# Altium PCB Controller(1).PcbDoc (continued)
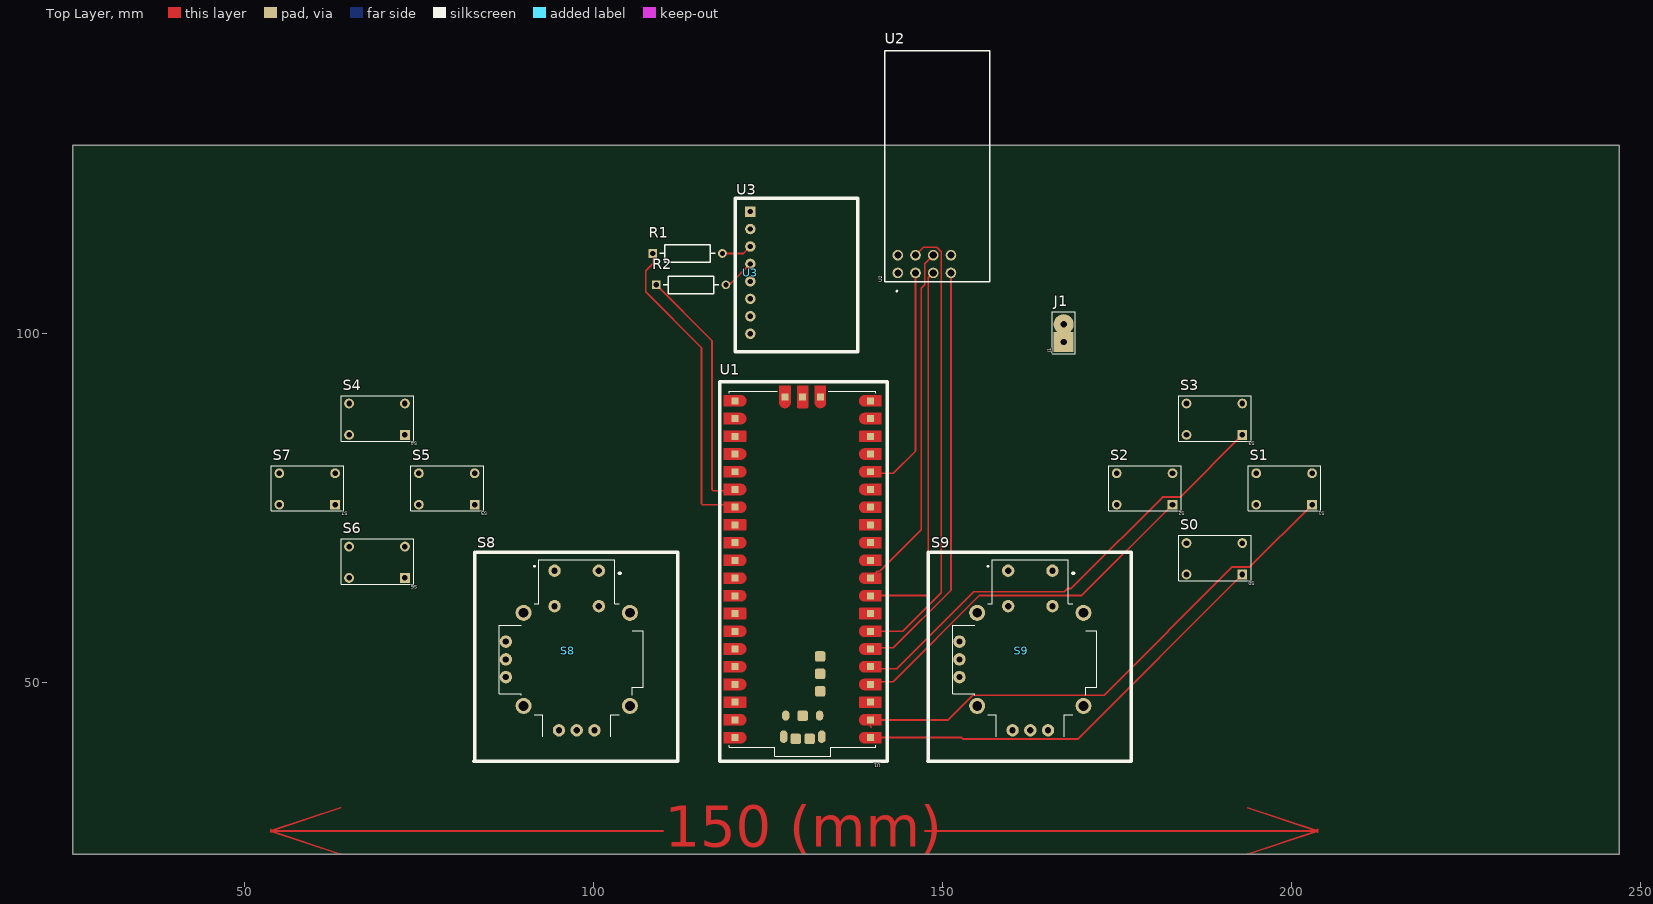
[diagram p0: Top Layer view]
## Footprints (in the part's own frame and the unit in brackets; to place one, negate y for a bottom-side part, rotate by r counter-clockwise, add the part's x,y. Pads: shape width x height; smd on the part's side, far side on the other; paste and mask are expansions set on the pad) (continued)
  Top Layer region: 11.29,15.91 8.89,15.91 8.848,15.911 8.806,15.914 8.765,15.92 8.724,15.927 8.683,15.937 8.643,15.949 8.603,15.963 8.565,15.979 8.527,15.997 8.49,16.017 8.454,16.039 8.42,16.063 8.387,16.088 8.355,16.115 8.324,16.144 8.295,16.175 8.268,16.207 8.243,16.24 8.219,16.274 8.197,16.31 8.177,16.347 8.159,16.385 8.143,16.423 8.129,16.463 8.117,16.503 8.107,16.544 8.1,16.585 8.094,16.626 8.091,16.668 8.09,16.71 8.091,16.752 8.094,16.794 8.1,16.835 8.107,16.876 8.117,16.917 8.129,16.957 8.143,16.997 8.159,17.035 8.177,17.073 8.197,17.11 8.219,17.146 8.243,17.18 8.268,17.213 8.295,17.245 8.324,17.276 8.355,17.305 8.387,17.332 8.42,17.357 8.454,17.381 8.49,17.403 8.527,17.423 8.565,17.441 8.603,17.457 8.643,17.471 8.683,17.483 8.724,17.493 8.765,17.5 8.806,17.506 8.848,17.509 8.89,17.51 11.29,17.51
  Top Layer region: 11.29,23.53 8.89,23.53 8.848,23.531 8.806,23.534 8.765,23.54 8.724,23.547 8.683,23.557 8.643,23.569 8.603,23.583 8.565,23.599 8.527,23.617 8.49,23.637 8.454,23.659 8.42,23.683 8.387,23.708 8.355,23.735 8.324,23.764 8.295,23.795 8.268,23.827 8.243,23.86 8.219,23.894 8.197,23.93 8.177,23.967 8.159,24.005 8.143,24.043 8.129,24.083 8.117,24.123 8.107,24.164 8.1,24.205 8.094,24.246 8.091,24.288 8.09,24.33 8.091,24.372 8.094,24.414 8.1,24.455 8.107,24.496 8.117,24.537 8.129,24.577 8.143,24.617 8.159,24.655 8.177,24.693 8.197,24.73 8.219,24.766 8.243,24.8 8.268,24.833 8.295,24.865 8.324,24.896 8.355,24.925 8.387,24.952 8.42,24.977 8.454,25.001 8.49,25.023 8.527,25.043 8.565,25.061 8.603,25.077 8.643,25.091 8.683,25.103 8.724,25.113 8.765,25.12 8.806,25.126 8.848,25.129 8.89,25.13 11.29,25.13
  Top Layer region: 11.29,-6.95 8.28,-6.95 8.269,-6.949 8.259,-6.948 8.248,-6.946 8.238,-6.943 8.228,-6.94 8.218,-6.937 8.209,-6.933 8.199,-6.928 8.19,-6.923 8.181,-6.918 8.172,-6.912 8.164,-6.905 8.156,-6.899 8.149,-6.891 8.141,-6.884 8.135,-6.876 8.128,-6.868 8.122,-6.859 8.117,-6.85 8.112,-6.841 8.107,-6.831 8.103,-6.822 8.1,-6.812 8.097,-6.802 8.094,-6.792 8.092,-6.781 8.091,-6.771 8.09,-6.76 8.09,-6.75 8.09,-5.55 8.09,-5.54 8.091,-5.529 8.092,-5.519 8.094,-5.508 8.097,-5.498 8.1,-5.488 8.103,-5.478 8.107,-5.469 8.112,-5.459 8.117,-5.45 8.122,-5.441 8.128,-5.432 8.135,-5.424 8.141,-5.416 8.149,-5.409 8.156,-5.401 8.164,-5.395 8.172,-5.388 8.181,-5.382 8.19,-5.377 8.199,-5.372 8.209,-5.367 8.218,-5.363 8.228,-5.36 8.238,-5.357 8.248,-5.354 8.259,-5.352 8.269,-5.351 8.28,-5.35 11.29,-5.35
  Top Layer region: 11.29,-4.41 8.89,-4.41 8.848,-4.409 8.806,-4.406 8.765,-4.4 8.724,-4.393 8.683,-4.383 8.643,-4.371 8.603,-4.357 8.565,-4.341 8.527,-4.323 8.49,-4.303 8.454,-4.281 8.42,-4.257 8.387,-4.232 8.355,-4.205 8.324,-4.176 8.295,-4.145 8.268,-4.113 8.243,-4.08 8.219,-4.046 8.197,-4.01 8.177,-3.973 8.159,-3.935 8.143,-3.897 8.129,-3.857 8.117,-3.817 8.107,-3.776 8.1,-3.735 8.094,-3.694 8.091,-3.652 8.09,-3.61 8.091,-3.568 8.094,-3.526 8.1,-3.485 8.107,-3.444 8.117,-3.403 8.129,-3.363 8.143,-3.323 8.159,-3.285 8.177,-3.247 8.197,-3.21 8.219,-3.174 8.243,-3.14 8.268,-3.107 8.295,-3.075 8.324,-3.044 8.355,-3.015 8.387,-2.988 8.42,-2.963 8.454,-2.939 8.49,-2.917 8.527,-2.897 8.565,-2.879 8.603,-2.863 8.643,-2.849 8.683,-2.837 8.724,-2.827 8.765,-2.82 8.806,-2.814 8.848,-2.811 8.89,-2.81 11.29,-2.81
  Top Layer region: 11.29,-1.87 8.89,-1.87 8.848,-1.869 8.806,-1.866 8.765,-1.86 8.724,-1.853 8.683,-1.843 8.643,-1.831 8.603,-1.817 8.565,-1.801 8.527,-1.783 8.49,-1.763 8.454,-1.741 8.42,-1.717 8.387,-1.692 8.355,-1.665 8.324,-1.636 8.295,-1.605 8.268,-1.573 8.243,-1.54 8.219,-1.506 8.197,-1.47 8.177,-1.433 8.159,-1.395 8.143,-1.357 8.129,-1.317 8.117,-1.277 8.107,-1.236 8.1,-1.195 8.094,-1.154 8.091,-1.112 8.09,-1.07 8.091,-1.028 8.094,-0.986 8.1,-0.945 8.107,-0.904 8.117,-0.863 8.129,-0.823 8.143,-0.783 8.159,-0.745 8.177,-0.707 8.197,-0.67 8.219,-0.634 8.243,-0.6 8.268,-0.567 8.295,-0.535 8.324,-0.504 8.355,-0.475 8.387,-0.448 8.42,-0.423 8.454,-0.399 8.49,-0.377 8.527,-0.357 8.565,-0.339 8.603,-0.323 8.643,-0.309 8.683,-0.297 8.724,-0.287 8.765,-0.28 8.806,-0.274 8.848,-0.271 8.89,-0.27 11.29,-0.27
  Top Layer region: 11.29,10.83 8.89,10.83 8.848,10.831 8.806,10.834 8.765,10.84 8.724,10.847 8.683,10.857 8.643,10.869 8.603,10.883 8.565,10.899 8.527,10.917 8.49,10.937 8.454,10.959 8.42,10.983 8.387,11.008 8.355,11.035 8.324,11.064 8.295,11.095 8.268,11.127 8.243,11.16 8.219,11.194 8.197,11.23 8.177,11.267 8.159,11.305 8.143,11.343 8.129,11.383 8.117,11.423 8.107,11.464 8.1,11.505 8.094,11.546 8.091,11.588 8.09,11.63 8.091,11.672 8.094,11.714 8.1,11.755 8.107,11.796 8.117,11.837 8.129,11.877 8.143,11.917 8.159,11.955 8.177,11.993 8.197,12.03 8.219,12.066 8.243,12.1 8.268,12.133 8.295,12.165 8.324,12.196 8.355,12.225 8.387,12.252 8.42,12.277 8.454,12.301 8.49,12.323 8.527,12.343 8.565,12.361 8.603,12.377 8.643,12.391 8.683,12.403 8.724,12.413 8.765,12.42 8.806,12.426 8.848,12.429 8.89,12.43 11.29,12.43
  Top Layer region: 11.29,20.99 8.89,20.99 8.848,20.991 8.806,20.994 8.765,21 8.724,21.007 8.683,21.017 8.643,21.029 8.603,21.043 8.565,21.059 8.527,21.077 8.49,21.097 8.454,21.119 8.42,21.143 8.387,21.168 8.355,21.195 8.324,21.224 8.295,21.255 8.268,21.287 8.243,21.32 8.219,21.354 8.197,21.39 8.177,21.427 8.159,21.465 8.143,21.503 8.129,21.543 8.117,21.583 8.107,21.624 8.1,21.665 8.094,21.706 8.091,21.748 8.09,21.79 8.091,21.832 8.094,21.874 8.1,21.915 8.107,21.956 8.117,21.997 8.129,22.037 8.143,22.077 8.159,22.115 8.177,22.153 8.197,22.19 8.219,22.226 8.243,22.26 8.268,22.293 8.295,22.325 8.324,22.356 8.355,22.385 8.387,22.412 8.42,22.437 8.454,22.461 8.49,22.483 8.527,22.503 8.565,22.521 8.603,22.537 8.643,22.551 8.683,22.563 8.724,22.573 8.765,22.58 8.806,22.586 8.848,22.589 8.89,22.59 11.29,22.59
  Top Layer region: 11.29,18.45 8.28,18.45 8.269,18.451 8.259,18.452 8.248,18.454 8.238,18.457 8.228,18.46 8.218,18.463 8.209,18.467 8.199,18.472 8.19,18.477 8.181,18.482 8.172,18.488 8.164,18.495 8.156,18.501 8.149,18.509 8.141,18.516 8.135,18.524 8.128,18.532 8.122,18.541 8.117,18.55 8.112,18.559 8.107,18.569 8.103,18.578 8.1,18.588 8.097,18.598 8.094,18.608 8.092,18.619 8.091,18.629 8.09,18.64 8.09,18.65 8.09,19.85 8.09,19.86 8.091,19.871 8.092,19.881 8.094,19.892 8.097,19.902 8.1,19.912 8.103,19.922 8.107,19.931 8.112,19.941 8.117,19.95 8.122,19.959 8.128,19.968 8.135,19.976 8.141,19.984 8.149,19.991 8.156,19.999 8.164,20.005 8.172,20.012 8.181,20.018 8.19,20.023 8.199,20.028 8.209,20.033 8.218,20.037 8.228,20.04 8.238,20.043 8.248,20.046 8.259,20.048 8.269,20.049 8.28,20.05 11.29,20.05
  Top Layer region: -8.848,9.889 -8.806,9.886 -8.765,9.88 -8.724,9.873 -8.683,9.863 -8.643,9.851 -8.603,9.837 -8.565,9.821 -8.527,9.803 -8.49,9.783 -8.454,9.761 -8.42,9.737 -8.387,9.712 -8.355,9.685 -8.324,9.656 -8.295,9.625 -8.268,9.593 -8.243,9.56 -8.219,9.526 -8.197,9.49 -8.177,9.453 -8.159,9.415 -8.143,9.377 -8.129,9.337 -8.117,9.297 -8.107,9.256 -8.1,9.215 -8.094,9.174 -8.091,9.132 -8.09,9.09 -8.091,9.048 -8.094,9.006 -8.1,8.965 -8.107,8.924 -8.117,8.883 -8.129,8.843 -8.143,8.803 -8.159,8.765 -8.177,8.727 -8.197,8.69 -8.219,8.654 -8.243,8.62 -8.268,8.587 -8.295,8.555 -8.324,8.524 -8.355,8.495 -8.387,8.468 -8.42,8.443 -8.454,8.419 -8.49,8.397 -8.527,8.377 -8.565,8.359 -8.603,8.343 -8.643,8.329 -8.683,8.317 -8.724,8.307 -8.765,8.3 -8.806,8.294 -8.848,8.291 -8.89,8.29 -11.29,8.29 -11.29,9.89 -8.89,9.89
  Top Layer region: -8.848,12.429 -8.806,12.426 -8.765,12.42 -8.724,12.413 -8.683,12.403 -8.643,12.391 -8.603,12.377 -8.565,12.361 -8.527,12.343 -8.49,12.323 -8.454,12.301 -8.42,12.277 -8.387,12.252 -8.355,12.225 -8.324,12.196 -8.295,12.165 -8.268,12.133 -8.243,12.1 -8.219,12.066 -8.197,12.03 -8.177,11.993 -8.159,11.955 -8.143,11.917 -8.129,11.877 -8.117,11.837 -8.107,11.796 -8.1,11.755 -8.094,11.714 -8.091,11.672 -8.09,11.63 -8.091,11.588 -8.094,11.546 -8.1,11.505 -8.107,11.464 -8.117,11.423 -8.129,11.383 -8.143,11.343 -8.159,11.305 -8.177,11.267 -8.197,11.23 -8.219,11.194 -8.243,11.16 -8.268,11.127 -8.295,11.095 -8.324,11.064 -8.355,11.035 -8.387,11.008 -8.42,10.983 -8.454,10.959 -8.49,10.937 -8.527,10.917 -8.565,10.899 -8.603,10.883 -8.643,10.869 -8.683,10.857 -8.724,10.847 -8.765,10.84 -8.806,10.834 -8.848,10.831 -8.89,10.83 -11.29,10.83 -11.29,12.43 -8.89,12.43
  Top Layer region: -8.848,14.969 -8.806,14.966 -8.765,14.96 -8.724,14.953 -8.683,14.943 -8.643,14.931 -8.603,14.917 -8.565,14.901 -8.527,14.883 -8.49,14.863 -8.454,14.841 -8.42,14.817 -8.387,14.792 -8.355,14.765 -8.324,14.736 -8.295,14.705 -8.268,14.673 -8.243,14.64 -8.219,14.606 -8.197,14.57 -8.177,14.533 -8.159,14.495 -8.143,14.457 -8.129,14.417 -8.117,14.377 -8.107,14.336 -8.1,14.295 -8.094,14.254 -8.091,14.212 -8.09,14.17 -8.091,14.128 -8.094,14.086 -8.1,14.045 -8.107,14.004 -8.117,13.963 -8.129,13.923 -8.143,13.883 -8.159,13.845 -8.177,13.807 -8.197,13.77 -8.219,13.734 -8.243,13.7 -8.268,13.667 -8.295,13.635 -8.324,13.604 -8.355,13.575 -8.387,13.548 -8.42,13.523 -8.454,13.499 -8.49,13.477 -8.527,13.457 -8.565,13.439 -8.603,13.423 -8.643,13.409 -8.683,13.397 -8.724,13.387 -8.765,13.38 -8.806,13.374 -8.848,13.371 -8.89,13.37 -11.29,13.37 -11.29,14.97 -8.89,14.97
  Top Layer region: -8.848,17.509 -8.806,17.506 -8.765,17.5 -8.724,17.493 -8.683,17.483 -8.643,17.471 -8.603,17.457 -8.565,17.441 -8.527,17.423 -8.49,17.403 -8.454,17.381 -8.42,17.357 -8.387,17.332 -8.355,17.305 -8.324,17.276 -8.295,17.245 -8.268,17.213 -8.243,17.18 -8.219,17.146 -8.197,17.11 -8.177,17.073 -8.159,17.035 -8.143,16.997 -8.129,16.957 -8.117,16.917 -8.107,16.876 -8.1,16.835 -8.094,16.794 -8.091,16.752 -8.09,16.71 -8.091,16.668 -8.094,16.626 -8.1,16.585 -8.107,16.544 -8.117,16.503 -8.129,16.463 -8.143,16.423 -8.159,16.385 -8.177,16.347 -8.197,16.31 -8.219,16.274 -8.243,16.24 -8.268,16.207 -8.295,16.175 -8.324,16.144 -8.355,16.115 -8.387,16.088 -8.42,16.063 -8.454,16.039 -8.49,16.017 -8.527,15.997 -8.565,15.979 -8.603,15.963 -8.643,15.949 -8.683,15.937 -8.724,15.927 -8.765,15.92 -8.806,15.914 -8.848,15.911 -8.89,15.91 -11.29,15.91 -11.29,17.51 -8.89,17.51
  Top Layer region: -8.848,22.589 -8.806,22.586 -8.765,22.58 -8.724,22.573 -8.683,22.563 -8.643,22.551 -8.603,22.537 -8.565,22.521 -8.527,22.503 -8.49,22.483 -8.454,22.461 -8.42,22.437 -8.387,22.412 -8.355,22.385 -8.324,22.356 -8.295,22.325 -8.268,22.293 -8.243,22.26 -8.219,22.226 -8.197,22.19 -8.177,22.153 -8.159,22.115 -8.143,22.077 -8.129,22.037 -8.117,21.997 -8.107,21.956 -8.1,21.915 -8.094,21.874 -8.091,21.832 -8.09,21.79 -8.091,21.748 -8.094,21.706 -8.1,21.665 -8.107,21.624 -8.117,21.583 -8.129,21.543 -8.143,21.503 -8.159,21.465 -8.177,21.427 -8.197,21.39 -8.219,21.354 -8.243,21.32 -8.268,21.287 -8.295,21.255 -8.324,21.224 -8.355,21.195 -8.387,21.168 -8.42,21.143 -8.454,21.119 -8.49,21.097 -8.527,21.077 -8.565,21.059 -8.603,21.043 -8.643,21.029 -8.683,21.017 -8.724,21.007 -8.765,21 -8.806,20.994 -8.848,20.991 -8.89,20.99 -11.29,20.99 -11.29,22.59 -8.89,22.59
  Top Layer region: -8.269,-18.051 -8.259,-18.052 -8.248,-18.054 -8.238,-18.057 -8.228,-18.06 -8.218,-18.063 -8.209,-18.067 -8.199,-18.072 -8.19,-18.077 -8.181,-18.082 -8.172,-18.088 -8.164,-18.095 -8.156,-18.101 -8.149,-18.109 -8.141,-18.116 -8.135,-18.124 -8.128,-18.132 -8.122,-18.141 -8.117,-18.15 -8.112,-18.159 -8.107,-18.169 -8.103,-18.178 -8.1,-18.188 -8.097,-18.198 -8.094,-18.208 -8.092,-18.219 -8.091,-18.229 -8.09,-18.24 -8.09,-18.25 -8.09,-19.45 -8.09,-19.46 -8.091,-19.471 -8.092,-19.481 -8.094,-19.492 -8.097,-19.502 -8.1,-19.512 -8.103,-19.522 -8.107,-19.531 -8.112,-19.541 -8.117,-19.55 -8.122,-19.559 -8.128,-19.568 -8.135,-19.576 -8.141,-19.584 -8.149,-19.591 -8.156,-19.599 -8.164,-19.605 -8.172,-19.612 -8.181,-19.618 -8.19,-19.623 -8.199,-19.628 -8.209,-19.633 -8.218,-19.637 -8.228,-19.64 -8.238,-19.643 -8.248,-19.646 -8.259,-19.648 -8.269,-19.649 -8.28,-19.65 -11.29,-19.65 -11.29,-18.05 -8.28,-18.05
  Top Layer region: -8.269,-5.351 -8.259,-5.352 -8.248,-5.354 -8.238,-5.357 -8.228,-5.36 -8.218,-5.363 -8.209,-5.367 -8.199,-5.372 -8.19,-5.377 -8.181,-5.382 -8.172,-5.388 -8.164,-5.395 -8.156,-5.401 -8.149,-5.409 -8.141,-5.416 -8.135,-5.424 -8.128,-5.432 -8.122,-5.441 -8.117,-5.45 -8.112,-5.459 -8.107,-5.469 -8.103,-5.478 -8.1,-5.488 -8.097,-5.498 -8.094,-5.508 -8.092,-5.519 -8.091,-5.529 -8.09,-5.54 -8.09,-5.55 -8.09,-6.75 -8.09,-6.76 -8.091,-6.771 -8.092,-6.781 -8.094,-6.792 -8.097,-6.802 -8.1,-6.812 -8.103,-6.822 -8.107,-6.831 -8.112,-6.841 -8.117,-6.85 -8.122,-6.859 -8.128,-6.868 -8.135,-6.876 -8.141,-6.884 -8.149,-6.891 -8.156,-6.899 -8.164,-6.905 -8.172,-6.912 -8.181,-6.918 -8.19,-6.923 -8.199,-6.928 -8.209,-6.933 -8.218,-6.937 -8.228,-6.94 -8.238,-6.943 -8.248,-6.946 -8.259,-6.948 -8.269,-6.949 -8.28,-6.95 -11.29,-6.95 -11.29,-5.35 -8.28,-5.35
  Top Layer region: -8.269,7.349 -8.259,7.348 -8.248,7.346 -8.238,7.343 -8.228,7.34 -8.218,7.337 -8.209,7.333 -8.199,7.328 -8.19,7.323 -8.181,7.318 -8.172,7.312 -8.164,7.305 -8.156,7.299 -8.149,7.291 -8.141,7.284 -8.135,7.276 -8.128,7.268 -8.122,7.259 -8.117,7.25 -8.112,7.241 -8.107,7.231 -8.103,7.222 -8.1,7.212 -8.097,7.202 -8.094,7.192 -8.092,7.181 -8.091,7.171 -8.09,7.16 -8.09,7.15 -8.09,5.95 -8.09,5.94 -8.091,5.929 -8.092,5.919 -8.094,5.908 -8.097,5.898 -8.1,5.888 -8.103,5.878 -8.107,5.869 -8.112,5.859 -8.117,5.85 -8.122,5.841 -8.128,5.832 -8.135,5.824 -8.141,5.816 -8.149,5.809 -8.156,5.801 -8.164,5.795 -8.172,5.788 -8.181,5.782 -8.19,5.777 -8.199,5.772 -8.209,5.767 -8.218,5.763 -8.228,5.76 -8.238,5.757 -8.248,5.754 -8.259,5.752 -8.269,5.751 -8.28,5.75 -11.29,5.75 -11.29,7.35 -8.28,7.35
  Top Layer region: -8.269,20.049 -8.259,20.048 -8.248,20.046 -8.238,20.043 -8.228,20.04 -8.218,20.037 -8.209,20.033 -8.199,20.028 -8.19,20.023 -8.181,20.018 -8.172,20.012 -8.164,20.005 -8.156,19.999 -8.149,19.991 -8.141,19.984 -8.135,19.976 -8.128,19.968 -8.122,19.959 -8.117,19.95 -8.112,19.941 -8.107,19.931 -8.103,19.922 -8.1,19.912 -8.097,19.902 -8.094,19.892 -8.092,19.881 -8.091,19.871 -8.09,19.86 -8.09,19.85 -8.09,18.65 -8.09,18.64 -8.091,18.629 -8.092,18.619 -8.094,18.608 -8.097,18.598 -8.1,18.588 -8.103,18.578 -8.107,18.569 -8.112,18.559 -8.117,18.55 -8.122,18.541 -8.128,18.532 -8.135,18.524 -8.141,18.516 -8.149,18.509 -8.156,18.501 -8.164,18.495 -8.172,18.488 -8.181,18.482 -8.19,18.477 -8.199,18.472 -8.209,18.467 -8.218,18.463 -8.228,18.46 -8.238,18.457 -8.248,18.454 -8.259,18.452 -8.269,18.451 -8.28,18.45 -11.29,18.45 -11.29,20.05 -8.28,20.05
  Top Layer region: -8.848,-23.131 -8.806,-23.134 -8.765,-23.14 -8.724,-23.147 -8.683,-23.157 -8.643,-23.169 -8.603,-23.183 -8.565,-23.199 -8.527,-23.217 -8.49,-23.237 -8.454,-23.259 -8.42,-23.283 -8.387,-23.308 -8.355,-23.335 -8.324,-23.364 -8.295,-23.395 -8.268,-23.427 -8.243,-23.46 -8.219,-23.494 -8.197,-23.53 -8.177,-23.567 -8.159,-23.605 -8.143,-23.643 -8.129,-23.683 -8.117,-23.723 -8.107,-23.764 -8.1,-23.805 -8.094,-23.846 -8.091,-23.888 -8.09,-23.93 -8.091,-23.972 -8.094,-24.014 -8.1,-24.055 -8.107,-24.096 -8.117,-24.137 -8.129,-24.177 -8.143,-24.217 -8.159,-24.255 -8.177,-24.293 -8.197,-24.33 -8.219,-24.366 -8.243,-24.4 -8.268,-24.433 -8.295,-24.465 -8.324,-24.496 -8.355,-24.525 -8.387,-24.552 -8.42,-24.577 -8.454,-24.601 -8.49,-24.623 -8.527,-24.643 -8.565,-24.661 -8.603,-24.677 -8.643,-24.691 -8.683,-24.703 -8.724,-24.713 -8.765,-24.72 -8.806,-24.726 -8.848,-24.729 -8.89,-24.73 -11.29,-24.73 -11.29,-23.13 -8.89,-23.13
  Top Layer region: -8.848,-20.591 -8.806,-20.594 -8.765,-20.6 -8.724,-20.607 -8.683,-20.617 -8.643,-20.629 -8.603,-20.643 -8.565,-20.659 -8.527,-20.677 -8.49,-20.697 -8.454,-20.719 -8.42,-20.743 -8.387,-20.768 -8.355,-20.795 -8.324,-20.824 -8.295,-20.855 -8.268,-20.887 -8.243,-20.92 -8.219,-20.954 -8.197,-20.99 -8.177,-21.027 -8.159,-21.065 -8.143,-21.103 -8.129,-21.143 -8.117,-21.183 -8.107,-21.224 -8.1,-21.265 -8.094,-21.306 -8.091,-21.348 -8.09,-21.39 -8.091,-21.432 -8.094,-21.474 -8.1,-21.515 -8.107,-21.556 -8.117,-21.597 -8.129,-21.637 -8.143,-21.677 -8.159,-21.715 -8.177,-21.753 -8.197,-21.79 -8.219,-21.826 -8.243,-21.86 -8.268,-21.893 -8.295,-21.925 -8.324,-21.956 -8.355,-21.985 -8.387,-22.012 -8.42,-22.037 -8.454,-22.061 -8.49,-22.083 -8.527,-22.103 -8.565,-22.121 -8.603,-22.137 -8.643,-22.151 -8.683,-22.163 -8.724,-22.173 -8.765,-22.18 -8.806,-22.186 -8.848,-22.189 -8.89,-22.19 -11.29,-22.19 -11.29,-20.59 -8.89,-20.59
  Top Layer region: -8.848,-15.511 -8.806,-15.514 -8.765,-15.52 -8.724,-15.527 -8.683,-15.537 -8.643,-15.549 -8.603,-15.563 -8.565,-15.579 -8.527,-15.597 -8.49,-15.617 -8.454,-15.639 -8.42,-15.663 -8.387,-15.688 -8.355,-15.715 -8.324,-15.744 -8.295,-15.775 -8.268,-15.807 -8.243,-15.84 -8.219,-15.874 -8.197,-15.91 -8.177,-15.947 -8.159,-15.985 -8.143,-16.023 -8.129,-16.063 -8.117,-16.103 -8.107,-16.144 -8.1,-16.185 -8.094,-16.226 -8.091,-16.268 -8.09,-16.31 -8.091,-16.352 -8.094,-16.394 -8.1,-16.435 -8.107,-16.476 -8.117,-16.517 -8.129,-16.557 -8.143,-16.597 -8.159,-16.635 -8.177,-16.673 -8.197,-16.71 -8.219,-16.746 -8.243,-16.78 -8.268,-16.813 -8.295,-16.845 -8.324,-16.876 -8.355,-16.905 -8.387,-16.932 -8.42,-16.957 -8.454,-16.981 -8.49,-17.003 -8.527,-17.023 -8.565,-17.041 -8.603,-17.057 -8.643,-17.071 -8.683,-17.083 -8.724,-17.093 -8.765,-17.1 -8.806,-17.106 -8.848,-17.109 -8.89,-17.11 -11.29,-17.11 -11.29,-15.51 -8.89,-15.51
  Top Layer region: -8.848,-12.971 -8.806,-12.974 -8.765,-12.98 -8.724,-12.987 -8.683,-12.997 -8.643,-13.009 -8.603,-13.023 -8.565,-13.039 -8.527,-13.057 -8.49,-13.077 -8.454,-13.099 -8.42,-13.123 -8.387,-13.148 -8.355,-13.175 -8.324,-13.204 -8.295,-13.235 -8.268,-13.267 -8.243,-13.3 -8.219,-13.334 -8.197,-13.37 -8.177,-13.407 -8.159,-13.445 -8.143,-13.483 -8.129,-13.523 -8.117,-13.563 -8.107,-13.604 -8.1,-13.645 -8.094,-13.686 -8.091,-13.728 -8.09,-13.77 -8.091,-13.812 -8.094,-13.854 -8.1,-13.895 -8.107,-13.936 -8.117,-13.977 -8.129,-14.017 -8.143,-14.057 -8.159,-14.095 -8.177,-14.133 -8.197,-14.17 -8.219,-14.206 -8.243,-14.24 -8.268,-14.273 -8.295,-14.305 -8.324,-14.336 -8.355,-14.365 -8.387,-14.392 -8.42,-14.417 -8.454,-14.441 -8.49,-14.463 -8.527,-14.483 -8.565,-14.501 -8.603,-14.517 -8.643,-14.531 -8.683,-14.543 -8.724,-14.553 -8.765,-14.56 -8.806,-14.566 -8.848,-14.569 -8.89,-14.57 -11.29,-14.57 -11.29,-12.97 -8.89,-12.97
  Top Layer region: -8.848,-10.431 -8.806,-10.434 -8.765,-10.44 -8.724,-10.447 -8.683,-10.457 -8.643,-10.469 -8.603,-10.483 -8.565,-10.499 -8.527,-10.517 -8.49,-10.537 -8.454,-10.559 -8.42,-10.583 -8.387,-10.608 -8.355,-10.635 -8.324,-10.664 -8.295,-10.695 -8.268,-10.727 -8.243,-10.76 -8.219,-10.794 -8.197,-10.83 -8.177,-10.867 -8.159,-10.905 -8.143,-10.943 -8.129,-10.983 -8.117,-11.023 -8.107,-11.064 -8.1,-11.105 -8.094,-11.146 -8.091,-11.188 -8.09,-11.23 -8.091,-11.272 -8.094,-11.314 -8.1,-11.355 -8.107,-11.396 -8.117,-11.437 -8.129,-11.477 -8.143,-11.517 -8.159,-11.555 -8.177,-11.593 -8.197,-11.63 -8.219,-11.666 -8.243,-11.7 -8.268,-11.733 -8.295,-11.765 -8.324,-11.796 -8.355,-11.825 -8.387,-11.852 -8.42,-11.877 -8.454,-11.901 -8.49,-11.923 -8.527,-11.943 -8.565,-11.961 -8.603,-11.977 -8.643,-11.991 -8.683,-12.003 -8.724,-12.013 -8.765,-12.02 -8.806,-12.026 -8.848,-12.029 -8.89,-12.03 -11.29,-12.03 -11.29,-10.43 -8.89,-10.43
  Top Layer region: -8.848,-7.891 -8.806,-7.894 -8.765,-7.9 -8.724,-7.907 -8.683,-7.917 -8.643,-7.929 -8.603,-7.943 -8.565,-7.959 -8.527,-7.977 -8.49,-7.997 -8.454,-8.019 -8.42,-8.043 -8.387,-8.068 -8.355,-8.095 -8.324,-8.124 -8.295,-8.155 -8.268,-8.187 -8.243,-8.22 -8.219,-8.254 -8.197,-8.29 -8.177,-8.327 -8.159,-8.365 -8.143,-8.403 -8.129,-8.443 -8.117,-8.483 -8.107,-8.524 -8.1,-8.565 -8.094,-8.606 -8.091,-8.648 -8.09,-8.69 -8.091,-8.732 -8.094,-8.774 -8.1,-8.815 -8.107,-8.856 -8.117,-8.897 -8.129,-8.937 -8.143,-8.977 -8.159,-9.015 -8.177,-9.053 -8.197,-9.09 -8.219,-9.126 -8.243,-9.16 -8.268,-9.193 -8.295,-9.225 -8.324,-9.256 -8.355,-9.285 -8.387,-9.312 -8.42,-9.337 -8.454,-9.361 -8.49,-9.383 -8.527,-9.403 -8.565,-9.421 -8.603,-9.437 -8.643,-9.451 -8.683,-9.463 -8.724,-9.473 -8.765,-9.48 -8.806,-9.486 -8.848,-9.489 -8.89,-9.49 -11.29,-9.49 -11.29,-7.89 -8.89,-7.89
  Top Layer region: -8.848,-2.811 -8.806,-2.814 -8.765,-2.82 -8.724,-2.827 -8.683,-2.837 -8.643,-2.849 -8.603,-2.863 -8.565,-2.879 -8.527,-2.897 -8.49,-2.917 -8.454,-2.939 -8.42,-2.963 -8.387,-2.988 -8.355,-3.015 -8.324,-3.044 -8.295,-3.075 -8.268,-3.107 -8.243,-3.14 -8.219,-3.174 -8.197,-3.21 -8.177,-3.247 -8.159,-3.285 -8.143,-3.323 -8.129,-3.363 -8.117,-3.403 -8.107,-3.444 -8.1,-3.485 -8.094,-3.526 -8.091,-3.568 -8.09,-3.61 -8.091,-3.652 -8.094,-3.694 -8.1,-3.735 -8.107,-3.776 -8.117,-3.817 -8.129,-3.857 -8.143,-3.897 -8.159,-3.935 -8.177,-3.973 -8.197,-4.01 -8.219,-4.046 -8.243,-4.08 -8.268,-4.113 -8.295,-4.145 -8.324,-4.176 -8.355,-4.205 -8.387,-4.232 -8.42,-4.257 -8.454,-4.281 -8.49,-4.303 -8.527,-4.323 -8.565,-4.341 -8.603,-4.357 -8.643,-4.371 -8.683,-4.383 -8.724,-4.393 -8.765,-4.4 -8.806,-4.406 -8.848,-4.409 -8.89,-4.41 -11.29,-4.41 -11.29,-2.81 -8.89,-2.81
  Top Layer region: -8.848,-0.271 -8.806,-0.274 -8.765,-0.28 -8.724,-0.287 -8.683,-0.297 -8.643,-0.309 -8.603,-0.323 -8.565,-0.339 -8.527,-0.357 -8.49,-0.377 -8.454,-0.399 -8.42,-0.423 -8.387,-0.448 -8.355,-0.475 -8.324,-0.504 -8.295,-0.535 -8.268,-0.567 -8.243,-0.6 -8.219,-0.634 -8.197,-0.67 -8.177,-0.707 -8.159,-0.745 -8.143,-0.783 -8.129,-0.823 -8.117,-0.863 -8.107,-0.904 -8.1,-0.945 -8.094,-0.986 -8.091,-1.028 -8.09,-1.07 -8.091,-1.112 -8.094,-1.154 -8.1,-1.195 -8.107,-1.236 -8.117,-1.277 -8.129,-1.317 -8.143,-1.357 -8.159,-1.395 -8.177,-1.433 -8.197,-1.47 -8.219,-1.506 -8.243,-1.54 -8.268,-1.573 -8.295,-1.605 -8.324,-1.636 -8.355,-1.665 -8.387,-1.692 -8.42,-1.717 -8.454,-1.741 -8.49,-1.763 -8.527,-1.783 -8.565,-1.801 -8.603,-1.817 -8.643,-1.831 -8.683,-1.843 -8.724,-1.853 -8.765,-1.86 -8.806,-1.866 -8.848,-1.869 -8.89,-1.87 -11.29,-1.87 -11.29,-0.27 -8.89,-0.27
  Top Layer region: -8.848,2.269 -8.806,2.266 -8.765,2.26 -8.724,2.253 -8.683,2.243 -8.643,2.231 -8.603,2.217 -8.565,2.201 -8.527,2.183 -8.49,2.163 -8.454,2.141 -8.42,2.117 -8.387,2.092 -8.355,2.065 -8.324,2.036 -8.295,2.005 -8.268,1.973 -8.243,1.94 -8.219,1.906 -8.197,1.87 -8.177,1.833 -8.159,1.795 -8.143,1.757 -8.129,1.717 -8.117,1.677 -8.107,1.636 -8.1,1.595 -8.094,1.554 -8.091,1.512 -8.09,1.47 -8.091,1.428 -8.094,1.386 -8.1,1.345 -8.107,1.304 -8.117,1.263 -8.129,1.223 -8.143,1.183 -8.159,1.145 -8.177,1.107 -8.197,1.07 -8.219,1.034 -8.243,1 -8.268,0.967 -8.295,0.935 -8.324,0.904 -8.355,0.875 -8.387,0.848 -8.42,0.823 -8.454,0.799 -8.49,0.777 -8.527,0.757 -8.565,0.739 -8.603,0.723 -8.643,0.709 -8.683,0.697 -8.724,0.687 -8.765,0.68 -8.806,0.674 -8.848,0.671 -8.89,0.67 -11.29,0.67 -11.29,2.27 -8.89,2.27
  Top Layer region: -8.848,4.809 -8.806,4.806 -8.765,4.8 -8.724,4.793 -8.683,4.783 -8.643,4.771 -8.603,4.757 -8.565,4.741 -8.527,4.723 -8.49,4.703 -8.454,4.681 -8.42,4.657 -8.387,4.632 -8.355,4.605 -8.324,4.576 -8.295,4.545 -8.268,4.513 -8.243,4.48 -8.219,4.446 -8.197,4.41 -8.177,4.373 -8.159,4.335 -8.143,4.297 -8.129,4.257 -8.117,4.217 -8.107,4.176 -8.1,4.135 -8.094,4.094 -8.091,4.052 -8.09,4.01 -8.091,3.968 -8.094,3.926 -8.1,3.885 -8.107,3.844 -8.117,3.803 -8.129,3.763 -8.143,3.723 -8.159,3.685 -8.177,3.647 -8.197,3.61 -8.219,3.574 -8.243,3.54 -8.268,3.507 -8.295,3.475 -8.324,3.444 -8.355,3.415 -8.387,3.388 -8.42,3.363 -8.454,3.339 -8.49,3.317 -8.527,3.297 -8.565,3.279 -8.603,3.263 -8.643,3.249 -8.683,3.237 -8.724,3.227 -8.765,3.22 -8.806,3.214 -8.848,3.211 -8.89,3.21 -11.29,3.21 -11.29,4.81 -8.89,4.81
  silkscreen extent -12.29,-26.67 11.91,27.69, body extent -10.5,-25.3 10.5,27, height 3.73

## Part data
J1: library part 2pin
R1 R2: library part "10k res"
U2: library part nrf24l01

## Nets (pads, with @x,y where several pads share a name; then routed paths per layer and width w, separated by ;. In a path a pad name is that pad's centre, name@x,y a point inside that pad or via, vN(x,y) a via of type N, cw(c..) or ccw(c..) an arc to the next point about the centre after c; other vN are vias at no path point)
3v3_out: U1.36 U2.2 U3.1
AD0: U3.7
GND: J1.2 S0.3 S1.3 S2.3 S3.3 S4.3 S5.3 S6.3 S7.3 S8.H3 S8.S3 S8.V3 S9.H3 S9.S3 S9.V3 U1.3 U2.1 U3.2 U3.8
GP0: S0.1 U1.1 | length 63.2
  Top Layer w0.254: U1.1 152.766,42.12 152.983,41.902 169.403,41.902 S0.1
GP1: S1.1 U1.2 | length 77.2
  Top Layer w0.254: 139.839,43.63 139.69,43.779 U1.2 150.84,44.66 154.369,48.189 173.189,48.189 191.581,66.581 194.081,66.581 S1.1
GP2: S2.1 U1.4 | length 54
  Top Layer w0.254: U1.4 140.063,50.113 142.958,50.113 155.345,62.5 170,62.5 S2.1
GP3: S3.1 U1.5 | length 67.3
  Top Layer w0.254: U1.5 139.97,52 143.5,52 154.508,63.008 167.508,63.008 168,63.5 168.492,63.5 169.496,64.504 169.504,64.504 181.581,76.581 184.081,76.581 S3.1
GP4: S4.1 U1.6 U2.7 | length 60.5
  Top Layer w0.254: U1.6 139.87,55 143,55 151.25,63.25 U2.7
GP5: S5.1 U1.7 U2.4 | length 65.7
  Top Layer w0.254: U1.7 144.36,57.36 149.853,62.853 149.853,111.723 149.183,112.393 147.313,112.393 U2.4
GP6: S6.1 U1.9 U2.5 | length 54.8
  Top Layer w0.254: U1.9 139.75,62.5 147.851,62.5 148,62.649 148,108 U2.5
GP7: S7.1 U1.10 U2.6 | length 50.2
  Top Layer w0.254: U1.10 140.668,65.958 141.066,65.958 147,71.891 147,106.5 147.492,106.992 147.492,110.032 U2.6
GP8: U1.11
GP9: U1.12
GP10: S8.S1 U1.14
GP11: S9.S1 U1.15
GP12: U1.16 U2.3 | length 33.4
  Top Layer w0.254: U1.16 139.91,80 143,80 146.17,83.17 U2.3
GP13: U1.17
GP14: U1.19
GP15: U1.20
GP16: U1.21
GP17: U1.22
GP18: U1.24
GP19: U1.25
GP20: R2.1 U1.26 | length 36.1
  Top Layer w0.254: R2.1 117,99 117,77.649 117.149,77.5 120.13,77.5 U1.26
GP21: R1.1 U1.27 | length 44.6
  Top Layer w0.254: R1.1 108.5,110 107.5,109 107.5,106 115.5,98 115.5,75.649 115.649,75.5 119.95,75.5 U1.27
GP22: U1.29
GP26: S8.V2 U1.31
GP27: S8.H2 U1.32
GP28: S9.V2 U1.34
NetR1_2: R1.2 U3.3 | length 4.4
  Top Layer w0.254: R1.2 121.5,111.5 U3.3
NetR2_2: R2.2 U3.4 | length 4.7
  Top Layer w0.254: R2.2 119.191,107.191 119.691,107.191 U3.4
VCC: J1.1 S8.H1 S8.V1 S9.H1 S9.V1 U1.39
XCL: U3.6
XDA: U3.5
pads on no net: S0.2 S0.4 S1.2 S1.4 S2.2 S2.4 S3.2 S3.4 S4.2 S4.4 S5.2 S5.4 S6.2 S6.4 S7.2 S7.4 S8.B1A S8.B1B S8.B2A S8.B2B S8.S2 S8.S4 S9.B1A S9.B1B S9.B2A S9.B2B S9.H2 S9.S2 S9.S4 U1.8 U1.13 U1.18 U1.23 U1.28 U1.30 U1.33 U1.35 U1.37 U1.38 U1.40 U1.A U1.B U1.C U1.D U1.D1 U1.D2 U1.D3 U1.TP1 U1.TP2 U1.TP3 U1.TP4 U1.TP5 U1.TP6 U2.8
copper on no net: | length 155.4
  Top Layer w0.254: 53.766,28.55 53.766,28.95 ; 63.766,25.417 53.766,28.75 ; 63.766,32.083 53.766,28.75 ; 110,28.75 53.766,28.75 ; 147.532,28.75 203.766,28.75 ; 193.766,25.417 203.766,28.75 ; 193.766,32.083 203.766,28.75 ; 203.766,28.55 203.766,28.95

## Other copper
Top Layer:
  text "150 (mm)" at 110.254,24.547 h10